# Altium PCB MiniPC.PcbDoc (part 19 of 22)
Units mm, origin at the board's own origin, x right, y up, seen from the top; angles counter-clockwise.
Board outline 175 x 155 mm, 16 copper layers (1_Top, 2_int1_(gnd), 3_int2_(power), 4_int3_(gnd), 5_int4_(sign), 6_int5_(power), 7_int6_(sign), 8_int7_(power), 9_int8_(gnd), 10_int9_(sign), 11_int10_(gnd), 12_int11_(sign), 13_int12_(gnd), 14_int13_(power), 15_int14_(gnd), 16_Bottom), stack 2.008 mm thick; 1046 components, 837 nets, 6010 pads, 3950 vias.
Unrouted connection lines stored in the file: 585.
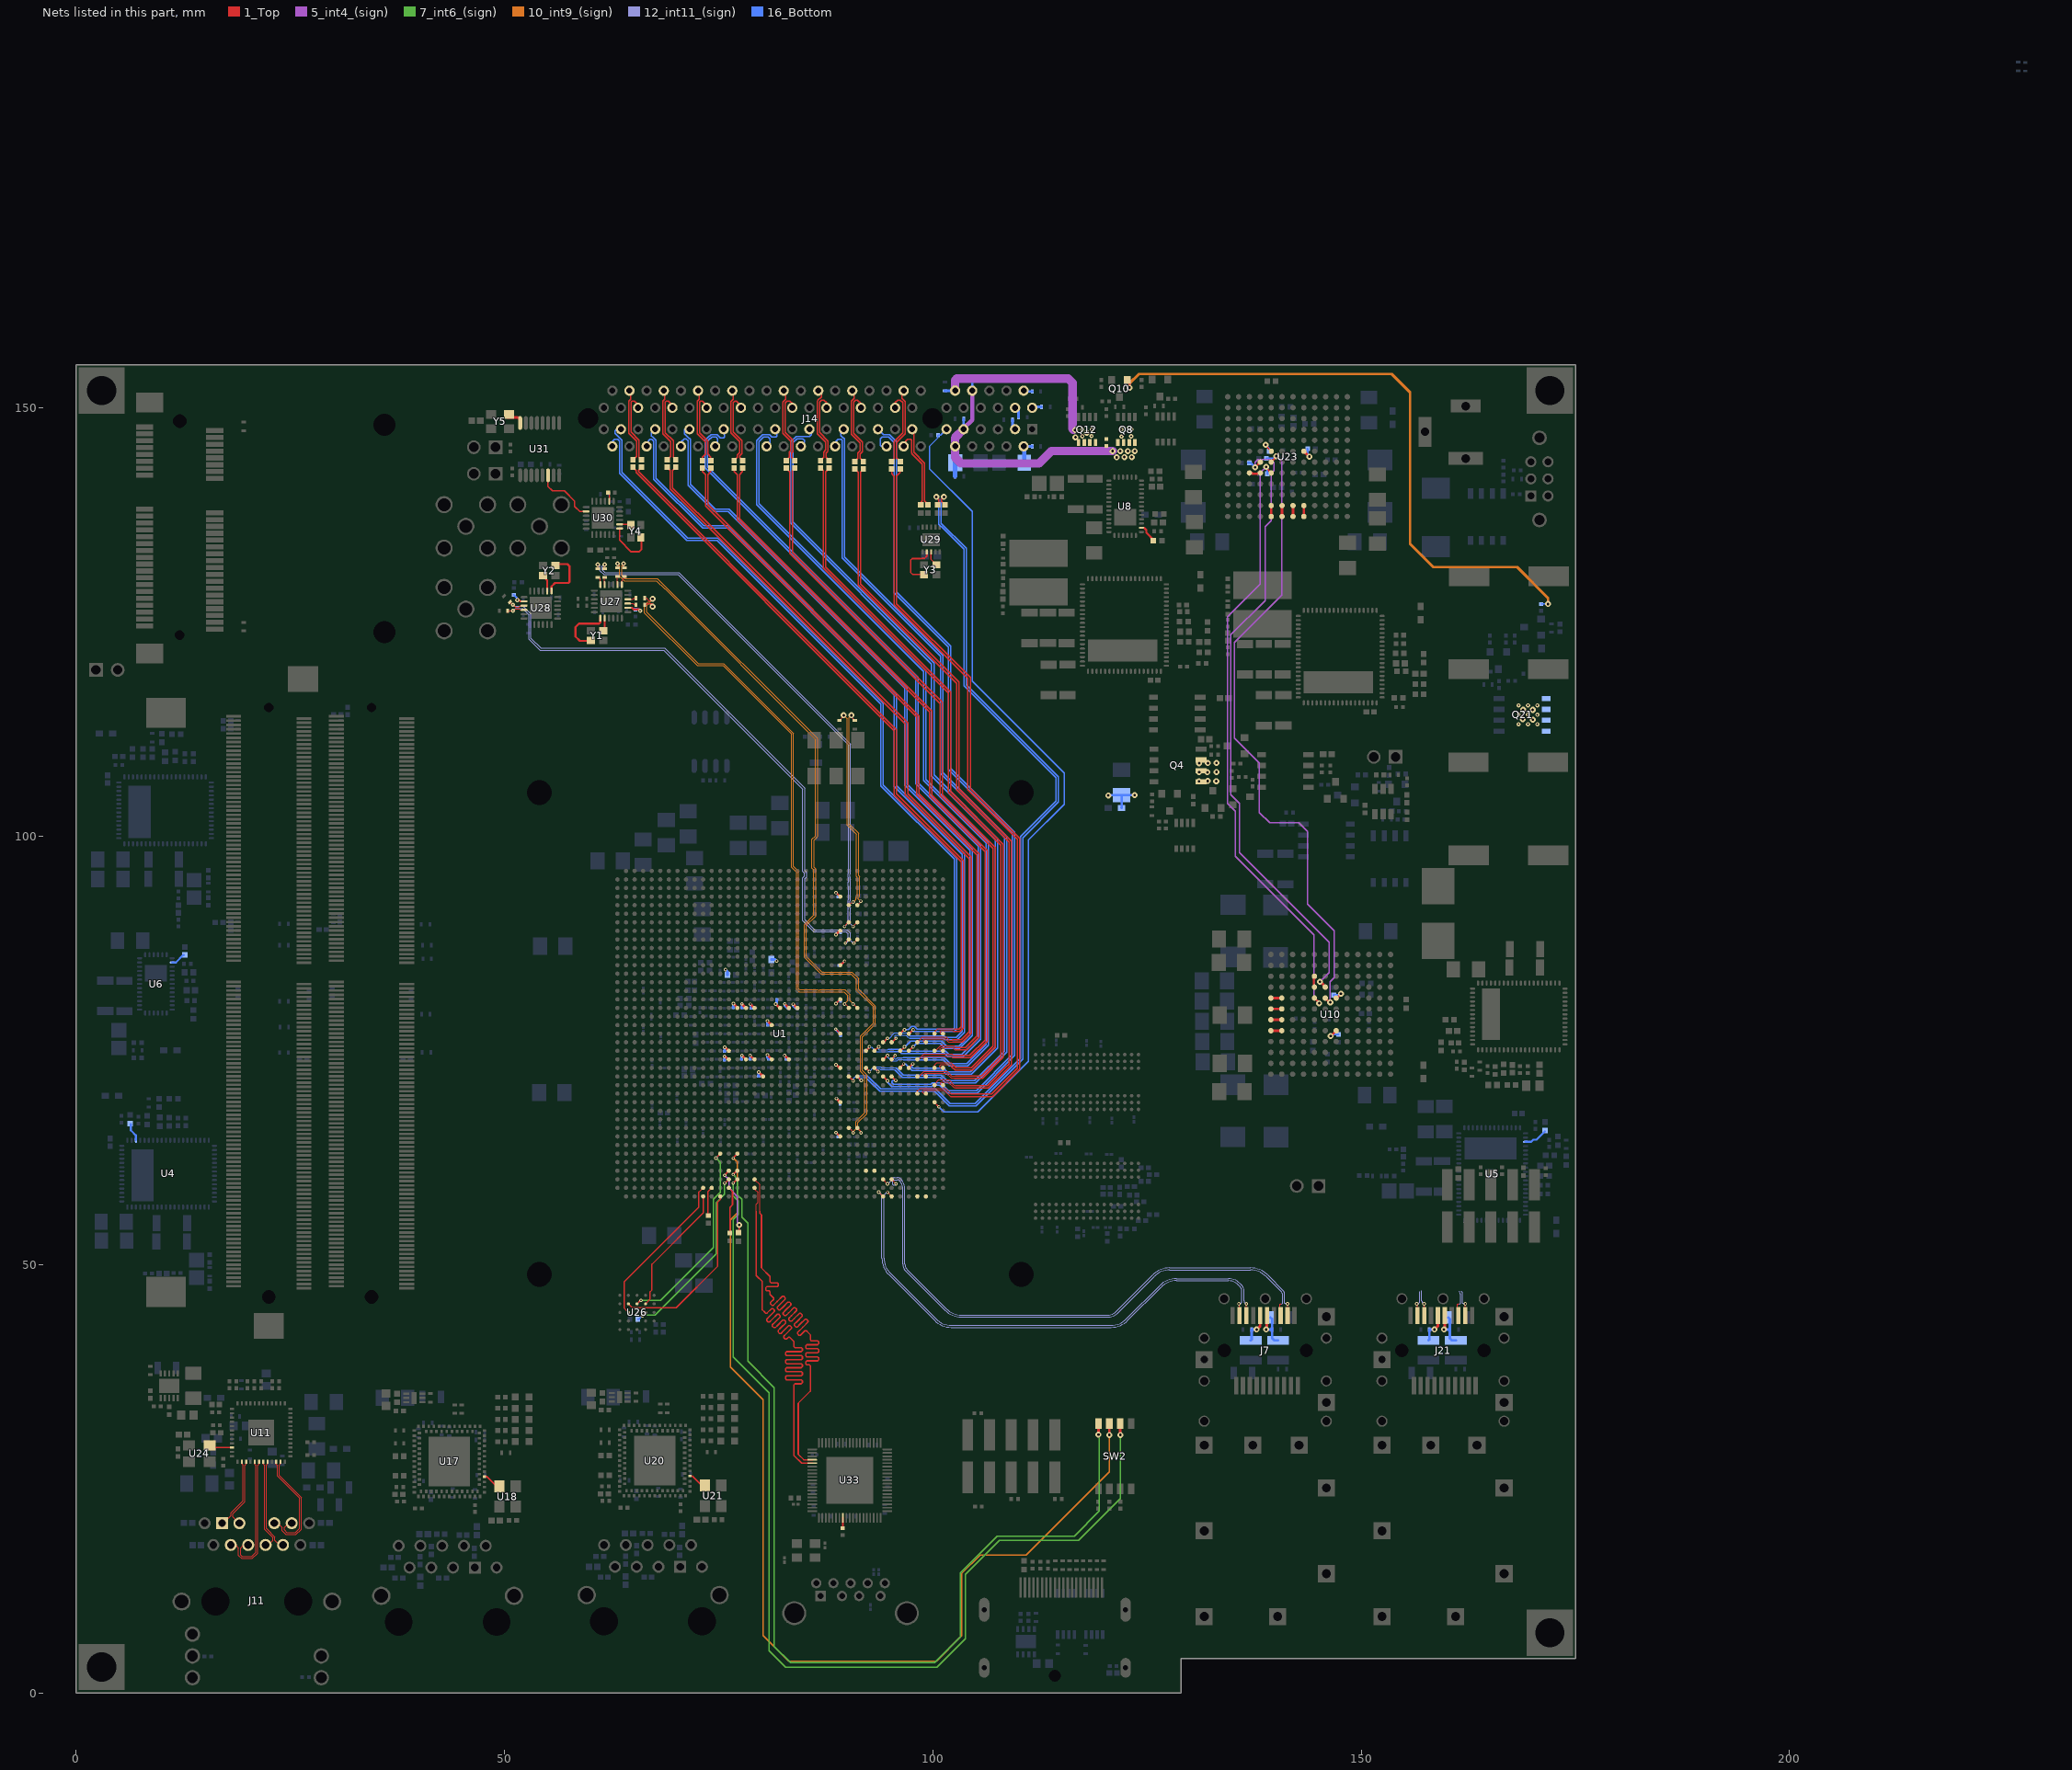
[diagram p33: the nets of this part, all layers, seen from the top]

## Via types
v1: diameter 0.4, hole 0.2, 1_Top to 16_Bottom, tented both sides, 1651 vias
v2: diameter 0.5, hole 0.2, 1_Top to 16_Bottom, tented both sides, 983 vias
v3: diameter 0.7, hole 0.3, 1_Top to 16_Bottom, tented both sides, 915 vias
v4: diameter 0.6, hole 0.2, 1_Top to 16_Bottom, tented both sides, 278 vias
v5: diameter 0.4, hole 0.2, 1_Top to 16_Bottom, 78 vias
v6: diameter 0.4/0/0/0/0/0/0/0/0/0/0/0/0/0/0/0.4 (per signal layer), hole 0.2, 1_Top to 16_Bottom, tented both sides, 18 vias
v7: diameter 0.5, hole 0.254, 1_Top to 16_Bottom, tented both sides, 15 vias
v8: diameter 0.4/0/0/0/0/0/0/0/0/0/0/0.4/0.4/0.4/0.4/0.4 (per signal layer), hole 0.2, 1_Top to 16_Bottom, tented both sides, 10 vias
v9: diameter 0.5, hole 0.2, 1_Top to 16_Bottom, 2 vias

## Nets (pads, with @x,y where several pads share a name; then routed paths per layer and width w, separated by ;. In a path a pad name is that pad's centre, name@x,y a point inside that pad or via, vN(x,y) a via of type N, cw(c..) or ccw(c..) an arc to the next point about the centre after c; other vN are vias at no path point) (continued)
NetR321_2: R321.2 U1.AU14 U26.C2 | length 22.3
  1_Top w0.17: v1(66.1,44) 66.1,44.025 U26.C2@66.475,44.4 ; v1(75.7,59.5) 75.755,59.5 U1.AU14@76.194,59.939
  7_int6_(sign) w0.15: v1@66.1,43.9 v1(66.1,44) 66.2,44.1 67.6,44.1 74.7,51.2 74.7,57.2 75.7,58.2 v1(75.7,59.5)
  16_Bottom w0.17: R321.2@65.55,43.6 65.7,43.6 v1(66.1,44)
NetR323_2: R323.2 U1.AT14 | length 8.2
  1_Top w0.17: v1(75.7,60.4) 75.9,60.6 75.9,60.645 U1.AT14@76.194,60.939 ; R323.2@77.3,53.7 77.4,53.8 v3(77.4,54.6)
  5_int4_(sign) w0.15: v1(75.7,60.4) 76.2,59.9 76.2,58.933 77.175,57.958 77.175,54.925 77.4,54.7 v3(77.4,54.6)
NetR324_2: R324.2 U1.AV12 | length 3.5
  1_Top w0.17: R324.2@73.825,55.625 73.769,55.681 73.769,58.514 U1.AV12@74.194,58.939
NetR325_2: R325.2 U1.AV14 | length 5.6
  1_Top w0.17: U1.AV14@76.194,58.939 76.619,58.514 76.619,56.949 76.605,56.949 76.315,56.659 76.315,53.665 R325.2@76.3,53.65
NetR333_2: R333.2 U27.8 | length 2.2
  1_Top w0.25: U27.8@64.4,126.65 64.891,126.65 65.076,126.465 65.685,126.465 v2(65.85,126.3)
  16_Bottom w0.25: R333.2@65.3,126.45 65.7,126.45 v2(65.85,126.3)
NetR334_2: R334.2 U28.8 | length 1.6
  1_Top w0.25: v2(51.5,127.55) 51.6,127.65 51.85,127.4 U28.8@52.3,127.4
  16_Bottom w0.25: R334.2@51.1,128.15 51.5,127.75 v2@51.5,127.65
NetR339_2: R339.2 U30.8 | length 1.1
  1_Top w0.17: R339.2@62.1,140.1 62.245,139.955 U30.8@62.245,139.1
NetR342_1: R342.1 U33.27 | length 1.2
  1_Top w0.2: R342.1@89.5,19.225 U33.27@89.5,20.425
NetSW2_2: SW2.2 U1.AU15 | length 120.6
  1_Top w0.17: v1(76.7,59.5) 77.139,59.939 U1.AU15@77.194,59.939
  1_Top w0.3: SW2.2@121.87,31.42 121.87,30.13 v3(121.9,30.1)
  7_int6_(sign) w0.15: v1(76.7,59.5) 76.7,58 77.3,57.4 77.3,55.829 76.7,55.229 76.7,39.2 80.9,35 80.9,4.9 82.8,3 100.5,3 103.8,6.3 103.8,13.8 107.8,17.8 117,17.8 121.9,22.7 v3(121.9,30.1)
NetSW2_3: SW2.3 U1.AP15 | length 119.3
  1_Top w0.17: v1(76.7,62.4) 76.7,62.445 U1.AP15@77.194,62.939
  1_Top w0.3: v3(120.6,30.1) SW2.3@120.6,31.42
  10_int9_(sign) w0.15: v1(76.7,62.4) 76.733,62.4 77.194,61.939 77.194,55.994 76.4,55.2 76.4,38 80.2,34.2 80.2,6.7 83.2,3.7 100.4,3.7 103.4,6.7 103.4,14 105.5,16.1 110.9,16.1 120.6,25.8 v3(120.6,30.1)
NetSW2_4: SW2.4 U1.AT15 | length 118.4
  1_Top w0.17: v1(76.7,60.5) 77.139,60.939 U1.AT15@77.194,60.939
  1_Top w0.3: v3(119.33,30.13) SW2.4@119.33,31.42
  7_int6_(sign) w0.15: v1(76.7,60.5) 77.2,60 77.2,58.1 77.7,57.6 77.7,55.5 78.4,54.8 78.4,38.7 81.5,35.6 81.5,5.4 83.4,3.5 100.2,3.5 103.2,6.5 103.2,14 107.5,18.3 116.5,18.3 119.4,21.2 119.4,30.06 v3(119.33,30.13)
NetU1_AP13: U1.AP13 U26.D3 | length 23.3
  1_Top w0.17: U26.D3@65.475,45.4 65.875,45.8 v1(65.938,45.8) ; v1(74.7,62.425) 75.194,62.919 U1.AP13@75.194,62.939
  7_int6_(sign) w0.15: v1(65.938,45.8) 68.2,45.8 74.4,52 74.4,57.615 75.2,58.415 75.2,61.894 75.194,61.9 75.194,61.931 v1(74.7,62.425)
NetU1_AV11: U1.AV11 U26.C4 | length 18.5
  1_Top w0.17: U26.C4@64.475,44.4 64,44.875 64,48 72.7,56.7 72.7,58.445 U1.AV11@73.194,58.939
NetU1_AW11: U1.AW11 U26.D2 | length 15.3
  1_Top w0.17: U26.D2@66.475,45.4 66.975,45.9 66.975,46.775 67.225,47.025 67.225,50.025 73.194,55.994 U1.AW11@73.194,57.939
NetU1_AW13: U1.AW13 U26.D4 | length 20.9
  1_Top w0.17: U26.D4@64.475,45.4 64.925,44.95 70.05,44.95 74.9,49.8 74.9,57.3 75.194,57.594 U1.AW13@75.194,57.939
NetU10_C5: U10.C5 U10.D5 | length 1.3
  1_Top w0.25: U10.D5@144.535,82.37 144.535,82.579 144.45,82.664 144.45,83.286 144.535,83.371 U10.C5@144.535,83.64
NetU10_E1: U10.E1 U10.E2 | length 1.3
  1_Top w0.3: U10.E1@139.455,81.1 U10.E2@140.725,81.1
NetU10_F1: U10.F1 U10.F2 | length 1.3
  1_Top w0.3: U10.F1@139.455,79.83 U10.F2@140.725,79.83
NetU10_G1: U10.G1 U10.G2 | length 1.3
  1_Top w0.3: U10.G1@139.455,78.56 U10.G2@140.725,78.56
NetU10_H1: U10.H1 U10.H2 | length 1.3
  1_Top w0.3: U10.H1@139.455,77.29 U10.H2@140.725,77.29
NetU11_46: U11.46 U24.3 | length 2.8
  1_Top w0.2: U24.3@15.7,28.95 15.7,28.75 15.824,28.625 U11.46@18.212,28.625
NetU17_A30: U17.A30 U18.3 | length 2.2
  1_Top w0.2: U17.A30@47.674,25.212 47.974,25.212 49.074,24.112 U18.3@49.374,24.112
NetU20_A30: U20.A30 U21.3 | length 2.2
  1_Top w0.2: U20.A30@71.65,25.3 71.95,25.3 73.05,24.2 U21.3@73.35,24.2
NetU23_C5: U23.C5 U23.D5 | length 1.3
  1_Top w0.25: U23.C5@136.955,142.395 137.224,142.395 137.309,142.31 137.931,142.31 138.016,142.395 U23.D5@138.225,142.395
NetU23_E1: U23.E1 U23.E2 | length 1.3
  1_Top w0.3: U23.E1@139.495,137.315 U23.E2@139.495,138.585
NetU23_F1: U23.F1 U23.F2 | length 1.3
  1_Top w0.3: U23.F1@140.765,137.315 U23.F2@140.765,138.585
NetU23_G1: U23.G1 U23.G2 | length 1.3
  1_Top w0.3: U23.G1@142.035,137.315 U23.G2@142.035,138.585
NetU23_H1: U23.H1 U23.H2 | length 1.3
  1_Top w0.3: U23.H1@143.305,137.315 U23.H2@143.305,138.585
NetU27_1: U27.1 Y1.1 | length 6.4
  1_Top w0.25: Y1.1@59.75,122.8 58.8,122.8 58.3,123.3 58.3,124.4 58.7,124.8 61.05,124.8 61.2,124.95 U27.1@61.2,125.45
NetU27_2: U27.2 Y1.3 | length 1.4
  1_Top w0.25: Y1.3@61.65,124.1 61.7,124.15 U27.2@61.7,125.45
NetU28_1: U28.1 Y2.1 | length 6.3
  1_Top w0.25: U28.1@55.5,128.6 55.5,129.15 55.9,129.55 57.45,129.55 57.6,129.7 57.6,131.5 57.35,131.75 Y2.1@56.1,131.75
NetU28_2: U28.2 Y2.3 | length 2
  1_Top w0.25: Y2.3@54.5,130.35 55,129.85 U28.2@55,128.6
NetU29_2: U29.2 Y3.3 | length 5.7
  1_Top w0.17: Y3.3@98.975,130.525 97.675,130.525 97.4,130.8 97.4,132.2 97.6,132.4 99,132.4 99.3,132.7 U29.2@99.3,133.175
NetU29_3: U29.3 Y3.1 | length 1.8
  1_Top w0.17: U29.3@99.8,133.175 99.8,132.3 Y3.1@100.425,131.675
NetU30_1: U30.1 Y4.1 | length 5.8
  1_Top w0.2: U30.1@63.445,135.9 63.445,134.562 64.807,133.2 65.7,133.2 66,133.5 Y4.1@66,134.7
NetU30_2: U30.2 Y4.3 | length 1.4
  1_Top w0.2: U30.2@63.445,136.4 64.7,136.4 Y4.3@64.8,136.3
NetU30_14: U30.14 U31.14 | length 7.3
  1_Top w0.17: U31.14@55.095,142.126 55.095,140.805 55.6,140.3 57,140.3 58.2,139.1 58.2,138.5 58.8,137.9 U30.14@59.545,137.9
NetU31_8: U31.8 Y5.3 | length 2
  1_Top w0.3: Y5.3@50.321,148.875 51.55,148.875 51.845,148.58 U31.8@51.845,148.226
PCIE_3V3: Q8.5 Q8.6 Q8.7 Q8.8 R18.2
  other v2: 122.025,146.65 123.15,146.675 122.05,147.482 123.15,147.482
PCIE_12V: C500.2 C501.2 C502.2 C503.2 C504.2 C505.2 J14.A2 J14.A3 J14.B1 J14.B2 J14.B3 Q21.5 Q21.6 Q21.7 Q21.8 | length 7.7
  16_Bottom w0.3: C501.2@109.3,148.6 109.3,147.8 J14.A3@109.6,147.5 ; J14.B3@109.6,150 110,149.6 C502.2@110,148.9 ; C500.2@110.6,143.675 C500.2@110.675,143.6 ; J14.A2@110.6,145.5 C504.2@111.6,145.5 ; J14.B2@110.6,152 110.7,151.9 C505.2@111.6,151.9 ; J14.B1@111.6,150 111.7,150.1 C503.2@112.7,150.1
  16_Bottom w0.5: J14.A2@110.6,145.5 110.675,145.425 C500.2@110.675,143.6
  other v2: 168.36,113.065 169.46,113.065 170.56,113.065 168.36,114.165 169.46,114.165 170.56,114.165 168.36,115.265 169.46,115.265 170.56,115.265
  other v3: 170.03,113.59 168.86,113.63 168.89,114.74 170.01,114.74
PCIE_AUX3V3: C483.2 J14.B10 Q12.5 Q12.6 Q12.7 Q12.8 | length 21.9
  5_int4_(sign) w1: J14.B10@102.6,152 102.6,153.2 102.8,153.4 115.8,153.4 116.3,152.9 116.3,147.55 v3@116.4,147.45
  16_Bottom w0.3: C483.2@101.4,152 J14.B10@102.6,152
  other v2: 117.45,146.675 118.525,146.7 117.45,147.482 118.55,147.482
  other v3: 116.65,146.56 117.97,147.1 116.62,147.4
PCIE_DC_3V3: C506.2 C507.2 C508.2 C509.2 J14.A9 J14.A10 J14.B8 R18.1 | length 33.9
  1_Top w0.25: R18.1@120.27,145.55 R18.1@120.37,145.55
  5_int4_(sign) w0.5: J14.A9@103.6,147.5 103.6,147.6 104.6,148.6 J14.B8@104.6,152
  5_int4_(sign) w1: J14.A9@103.6,147.5 102.6,146.5 J14.A10@102.6,145.5 102.6,144.2 103.3,143.5 112.4,143.5 113.85,144.95 v3(120.97,144.95)
  16_Bottom w0.3: J14.A9@103.6,147.5 C507.2@103.6,148.7 ; J14.B8@104.6,152 C506.2@104.6,153.2
  16_Bottom w0.5: C508.2@102.6,142 102.6,143.575 C509.2@102.625,143.6 ; C509.2@102.6,143.625 J14.A10@102.6,145.5
  other v3: 121.46,144.22 122.36,144.25 123.21,144.25 121.87,144.95 122.77,144.95 123.57,144.95
PCIE_EN: Q10.1 R139.1 | length 73.5
  1_Top w0.25: Q10.1@122.685,153.25 122.97,152.965 v3(122.97,152.35)
  10_int9_(sign) w0.3: v3(122.97,152.35) 122.97,152.87 124.05,153.95 153.55,153.95 155.7,151.8 155.7,134.1 158.4,131.4 168.2,131.4 171.8,127.8 v3(171.8,127.1)
  16_Bottom w0.17: R139.1@171,127.1 v3(171.8,127.1)
PCIE_PERSTN: J14.A11 R332.1 U1.AH38 | length 97
  1_Top w0.17: U1.AH38@100.194,68.939 100.194,68.906 v1(100.7,68.4)
  16_Bottom w0.17: v1(100.7,68.4) 101.3,67.8 105.245,67.8 111.17,73.725 111.17,74.715 111.165,74.72 111.165,75.08 111.17,75.085 111.17,99.541 115.34,103.711 115.34,107.36 104.6,118.1 104.6,137.9 99.6,142.9 99.6,145.5 100.6,146.5 R332.1@100.6,146.8 100.9,146.8 J14.A11@101.6,147.5
PCIE_REFCLK_QR0_N: R336.2 U1.AE28 | length 98.3
  1_Top w0.15: U1.AE28@90.194,71.939 v6(90.7,71.433) ; v3(100.4,139.6) 100.7,139.3 100.7,138.85 R336.2@100.55,138.7
  16_Bottom w0.1: v6(90.7,71.433) 90.7,71.685 91.065,72.05 92.332,72.05 92.503,71.878
  16_Bottom w0.15: 92.503,71.878 93.912,70.47 100.33,70.47 101.755,69.045 101.767,69.045 102.012,68.8 104.915,68.8 110.225,74.11 110.225,75.47 110.23,75.475 110.23,99.93 114.4,104.1 114.4,106.8 103.7,117.5 103.621,117.579 103.621,133.497 101.218,135.9 100.715,136.403 100.715,139.285 v3(100.4,139.6)
PCIE_REFCLK_QR0_P: R335.2 U1.AE29 | length 98.1
  1_Top w0.15: U1.AE29@91.194,71.939 v6(91.65,71.483) ; v3(101.3,139.6) 101.04,139.34 101.04,139.06 R335.2@101.4,138.7
  16_Bottom w0.1: v6(91.65,71.483) 91.518,71.483 91.396,71.605 91.396,71.72 91.506,71.83 92.17,71.83 92.4,71.6
  16_Bottom w0.15: 92.4,71.6 93.8,70.2 100.218,70.2 101.643,68.775 101.655,68.775 101.875,68.555 101.875,68.543 101.888,68.53 105.027,68.53 110.495,73.998 110.495,74.195 110.495,75.358 110.5,75.363 110.5,99.818 114.67,103.988 114.67,106.912 103.891,117.691 103.891,133.609 100.985,136.515 100.985,139.285 v3(101.3,139.6)
PCIE_REFCLK_SYN_N: J14.A14 R338.2 | length 9.7
  1_Top w0.15: J14.A14@96.6,145.5 96.6,145.867 97.033,146.3 97.4,146.3 97.505,146.195 97.505,144.695 97.65,144.55 98.765,143.435 98.765,139.115 98.475,138.825 R338.2@98.35,138.7
PCIE_REFCLK_SYN_P: J14.A13 R337.2 | length 9.6
  1_Top w0.15: J14.A13@97.6,147.5 97.775,147.325 97.775,144.807 99.035,143.547 99.035,139.148 99.192,138.992 99.192,138.958 R337.2@99.45,138.7
PCIE_RX0_N: J14.A17 U1.AE32 | length 98.4
  1_Top w0.15: U1.AE32@94.194,71.939 v6(94.7,71.433)
  16_Bottom w0.15: J14.A17@93.6,147.5 94.23,146.87 94.97,146.87 95.775,146.065 95.775,146.025 95.779,146.021 95.779,145.846 95.775,145.842 95.775,145.158 95.779,145.154 95.779,128.521 102.1,122.2 102.1,107.882 109.565,100.417 109.565,74.383 105.212,70.03 101.688,70.03 101.609,70.109 100.788,70.93 100.042,70.93 99.867,70.755 95.22,70.755 94.7,71.275 v6(94.7,71.433)
PCIE_RX0_P: J14.A16 U1.AE33 | length 98.3
  1_Top w0.15: U1.AE33@95.194,71.939 v6(95.667,71.467)
  16_Bottom w0.15: J14.A16@94.6,145.5 94,145.5 93.9,145.6 93.9,146.4 94.1,146.6 94.859,146.6 95.505,145.954 95.505,145.046 95.509,145.042 95.509,128.409 101.83,122.088 101.83,107.77 109.295,100.305 109.295,74.495 105.1,70.3 101.8,70.3 100.9,71.2 99.93,71.2 99.755,71.025 95.425,71.025 95.215,71.235 95.215,71.37 95.312,71.467 v6(95.667,71.467)
PCIE_RX1_N: J14.A22 U1.AD30 | length 99.4
  1_Top w0.1: U1.AD30@92.194,72.939 U1.AD30@92.239,72.939 ; v6(92.6,72.5) v6@92.6,72.579
  1_Top w0.15: U1.AD30@92.194,72.939 92.554,72.579 v6@92.6,72.579
  16_Bottom w0.1: v6(92.6,72.5) 93.15,73.05 93.926,73.05 94.006,72.97 95.7,72.97
  16_Bottom w0.15: J14.A22@88.6,145.5 88.6,146 88.93,146.33 89.3,146.33 89.43,146.2 89.43,142.54 89.43,139.918 89.43,134.3 89.43,132.458 100.9,120.988 100.9,107.315 108.23,99.985 108.23,99.97 108.365,99.835 108.365,74.915 104.9,71.45 101.65,71.45 100.975,72.125 96.545,72.125 95.7,72.97
PCIE_RX1_P: J14.A21 U1.AD31 | length 99.3
  1_Top w0.15: U1.AD31@93.194,72.939 93.6,72.533 v6(93.6,72.5)
  16_Bottom w0.1: v6(93.6,72.5) 93.531,72.5 93.391,72.64 93.391,72.735 93.486,72.83 93.835,72.83 93.94,72.725 95.563,72.725 95.588,72.7
  16_Bottom w0.15: J14.A21@89.6,147.5 89.275,147.175 89.275,146.737 89.542,146.47 89.586,146.47 89.7,146.356 89.7,132.57 101.17,121.1 101.17,107.427 108.5,100.097 108.5,100.082 108.635,99.947 108.635,74.803 105.012,71.18 101.538,71.18 101.459,71.259 100.863,71.855 96.433,71.855 95.588,72.7
PCIE_RX2_N: J14.A26 U1.AD34 | length 96.3
  1_Top w0.15: U1.AD34@96.194,72.939 96.194,72.994 v6(96.6,73.4)
  16_Bottom w0.15: J14.A26@84.6,145.5 84.6,145.6 85,146 85,146.2 84.8,146.4 84.141,146.4 83.695,145.954 83.695,136.647 100.13,120.212 100.13,107.152 107.57,99.712 107.57,75.288 104.512,72.23 101.573,72.23 101.173,72.63 97.575,72.63 96.805,73.4 v6(96.6,73.4)
PCIE_RX2_P: J14.A25 U1.AD35 | length 96.3
  1_Top w0.15: U1.AD35@97.194,72.939 v6(97.655,73.4)
  16_Bottom w0.15: J14.A25@85.6,147.5 85.8,147.3 85.8,146.875 85.595,146.67 84.03,146.67 83.425,146.065 83.425,136.535 99.86,120.1 99.86,107.04 107.3,99.6 107.3,75.4 104.4,72.5 101.685,72.5 101.285,72.9 97.695,72.9 97.555,73.04 97.555,73.4 v6(97.655,73.4)
PCIE_RX3_N: J14.A30 U1.AC32 | length 98.4
  1_Top w0.15: U1.AC32@94.194,73.939 94.239,73.939 v6(94.7,74.4)
  16_Bottom w0.1: v6(94.7,74.4) 94.7,74.265 95.204,73.761 95.831,73.761 95.975,73.905 96.54,73.905 96.565,73.88
  16_Bottom w0.15: J14.A30@80.6,145.5 81,145.9 81,146.4 80.8,146.6 80.249,146.6 79.695,146.046 79.695,138.823 99.2,119.318 99.2,106.613 106.49,99.323 106.49,75.59 104.1,73.2 101.918,73.2 101.618,73.5 101.238,73.88 96.565,73.88
PCIE_RX3_P: J14.A29 U1.AC33 | length 98.9
  1_Top w0.1: v6@95.6,74.345 v6(95.6,74.4)
  1_Top w0.15: U1.AC33@95.194,73.939 95.194,73.994 v6(95.6,74.4)
  16_Bottom w0.1: v6(95.6,74.4) 95.445,74.245 95.445,74.116 95.58,73.981 95.739,73.981 95.884,74.125 96.525,74.125 96.55,74.15
  16_Bottom w0.15: J14.A29@81.6,147 J14.A29@81.6,147.5 81.825,147.275 81.825,146.725 81.7,146.6 81.2,146.6 80.93,146.87 80.137,146.87 79.425,146.158 79.425,144.58 79.425,138.711 98.93,119.206 98.93,106.501 106.22,99.211 106.22,75.702 103.988,73.47 102.03,73.47 101.35,74.15 96.55,74.15
PCIE_RX4_N: J14.A36 U1.AB30 | length 100.5
  1_Top w0.1: v6@92.6,75.345 v6(92.6,75.4)
  1_Top w0.15: U1.AB30@92.194,74.939 v6@92.6,75.345
  16_Bottom w0.1: v6(92.6,75.4) 92.845,75.4 93.39,74.855 94.755,74.855 94.78,74.83
  16_Bottom w0.15: J14.A36@74.6,145.5 74.9,145.8 74.9,146.4 74.7,146.6 74.249,146.6 74.054,146.405 74.005,146.405 73.7,146.1 73.7,143.1 74.708,142.092 76.335,140.465 98.1,118.7 98.27,118.53 98.27,106.228 105.56,98.938 105.56,76.278 103.591,74.309 103.512,74.23 101.788,74.23 101.609,74.409 101.388,74.63 96.37,74.63 96.17,74.83 94.78,74.83
PCIE_RX4_P: J14.A35 U1.AB31 | length 100.7
  1_Top w0.1: v6@93.655,75.4 v6(93.7,75.4)
  1_Top w0.15: U1.AB31@93.194,74.939 v6@93.655,75.4
  16_Bottom w0.1: v6(93.7,75.4) 93.625,75.325 93.625,75.18 93.73,75.075 94.755,75.075 94.78,75.1
  16_Bottom w0.15: J14.A35@75.6,147.2 J14.A35@75.6,147.5 75.7,147.4 75.7,146.6 75.6,146.5 75.2,146.5 74.83,146.87 74.137,146.87 73.942,146.675 73.893,146.675 73.43,146.212 73.43,142.988 74.517,141.902 98,118.418 98,106.116 105.29,98.826 105.29,76.39 103.4,74.5 101.9,74.5 101.5,74.9 96.512,74.9 96.312,75.1 94.78,75.1
PCIE_RX5_N: J14.A40 U1.AB34 | length 95
  1_Top w0.1: v6@96.655,75.4 v6(96.7,75.4)
  1_Top w0.15: U1.AB34@96.194,74.939 96.239,74.939 v6(96.7,75.4)
  16_Bottom w0.15: J14.A40@70.6,145.5 70.6,146 71,146.4 71.2,146.4 71.43,146.17 71.43,144.125 71.43,142.185 71.43,140.958 74.488,137.9 76.1,137.9 96.73,117.27 96.73,105.97 104.36,98.34 104.36,76.83 103.03,75.5 101.6,75.5 101,76.1 97.4,76.1 v6(96.7,75.4)
PCIE_RX5_P: J14.A39 U1.AB35 | length 94.9
  1_Top w0.1: v6@97.655,75.4 v6(97.7,75.4)
  1_Top w0.15: U1.AB35@97.194,74.939 v6@97.655,75.4
  16_Bottom w0.15: J14.A39@71.6,147.5 71.075,147.5 71,147.425 71,146.982 71.542,146.44 71.586,146.44 71.7,146.326 71.7,144.125 71.7,142.185 71.7,141.07 74.6,138.17 76.212,138.17 97,117.382 97,106.082 104.63,98.452 104.63,76.718 103.13,75.218 101.467,75.218 100.855,75.83 98.13,75.83 v6(97.7,75.4)
PCIE_RX6_N: J14.A44 U1.AA32 | length 97.2
  1_Top w0.15: U1.AA32@94.194,75.939 94.239,75.939 v6(94.7,76.4)
  16_Bottom w0.1: v6(94.7,76.4) 94.941,76.4 95.556,77.015 96.94,77.015 97.285,76.67
  16_Bottom w0.15: J14.A44@66.6,145.5 66.6,145.9 67,146.3 67.23,146.3 67.43,146.1 67.43,144.045 67.43,141.76 67.43,141.673 73.153,135.95 76.05,135.95 95.5,116.5 95.5,105.8 103.43,97.87 103.43,77.215 102.715,76.5 101.5,76.5 101.33,76.67 97.285,76.67
PCIE_RX6_P: J14.A43 U1.AA33 | length 97.3
  1_Top w0.15: U1.AA33@95.194,75.939 95.239,75.939 v6(95.7,76.4)
  16_Bottom w0.1: v6(95.7,76.4) 95.59,76.51 95.59,76.737 95.648,76.795 96.849,76.795 97.04,76.604 97.04,76.569 97.184,76.425 97.275,76.425 97.3,76.4
  16_Bottom w0.15: J14.A43@67.6,147.5 67.4,147.3 67.375,147.3 67.175,147.1 67.175,146.7 67.305,146.57 67.342,146.57 67.4,146.512 67.6,146.312 67.7,146.212 67.7,144.045 67.7,141.97 67.7,141.785 73.265,136.22 76.162,136.22 76.241,136.141 95.77,116.612 95.77,105.912 103.7,97.982 103.7,77.103 102.827,76.23 101.388,76.23 101.318,76.3 101.218,76.4 99.1,76.4 97.3,76.4
PCIE_RX7_N: J14.A48 U1.Y34 | length 95.2
  1_Top w0.1: v6@96.655,77.4 v6(96.7,77.4)
  1_Top w0.15: U1.Y34@96.194,76.939 v6@96.655,77.4
  16_Bottom w0.15: J14.A48@62.6,145.5 62.6,146.07 62.84,146.31 63.22,146.31 63.43,146.1 63.43,142.328 71.258,134.5 74.83,134.5 93.93,115.4 93.93,105.87 102.5,97.3 102.5,77.6 102.385,77.485 98.174,77.485 97.864,77.795 97.536,77.795 97.141,77.4 v6(96.7,77.4)
PCIE_RX7_P: J14.A47 U1.Y35 | length 95.2
  1_Top w0.15: U1.Y35@97.194,76.939 97.239,76.939 v6(97.7,77.4)
  16_Bottom w0.15: J14.A47@63.6,147.5 63.125,147.5 62.9,147.275 62.9,147.012 63.7,146.212 63.7,142.44 71.37,134.77 74.942,134.77 94.2,115.512 94.2,105.982 102.77,97.412 102.77,77.488 102.497,77.215 97.75,77.215 97.7,77.265 v6(97.7,77.4)
PCIE_TX0_C_N: C485.2 J14.B15 | length 9.1
  1_Top w0.15: C485.2@95.2,143.74 95.2,143.758 95.5,144.058 95.5,146.082 95.6,146.182 96.5,147.082 96.5,150.6 96.2,150.9 95.9,150.9 95.6,150.6 J14.B15@95.6,150
PCIE_TX0_C_P: C484.2 J14.B14 | length 9.1
  1_Top w0.15: C484.2@96.2,143.74 95.77,144.17 95.77,145.97 96.77,146.97 96.77,150.712 96.391,151.091 96.391,151.791 J14.B14@96.6,152
PCIE_TX0_N: C485.1 U1.AG36 | length 89.7
  1_Top w0.1: U1.AG36@98.194,69.939 98.194,70.224 98.519,70.549 101.51,70.549 102.16,69.9
  1_Top w0.15: C485.1@95.2,142.86 95.2,142.3 95.5,142 95.5,127.018 104.1,118.418 104.1,105.425 109.88,99.645 109.88,72.892 106.888,69.9 102.16,69.9
PCIE_TX0_P: C484.1 U1.AG37 | length 89.9
  1_Top w0.1: U1.AG37@99.194,70.094 U1.AG37@99.194,69.939 98.967,69.939 98.837,70.07 98.837,70.205 98.961,70.329 101.355,70.329 102.085,69.6
  1_Top w0.15: C484.1@96.2,142.86 96.2,142.455 95.77,142.025 95.77,127.13 104.37,118.53 104.37,105.537 110.15,99.757 110.15,72.78 106.97,69.6 102.085,69.6
PCIE_TX1_C_N: C487.2 J14.B20 | length 9.2
  1_Top w0.15: J14.B20@90.6,152 90.809,151.791 90.809,151.091 90.5,150.782 90.5,146.93 91.53,145.9 91.53,144.977 91.265,144.712 91.265,144.105 C487.2@90.9,143.74
PCIE_TX1_C_P: C486.2 J14.B19 | length 9.2
  1_Top w0.15: J14.B19@91.6,150 91.6,150.5 91.2,150.9 91,150.9 90.77,150.67 90.77,147.042 91.8,146.012 91.8,144.865 91.535,144.6 91.535,144.105 C486.2@91.9,143.74
PCIE_TX1_N: C487.1 U1.AF38 | length 87.2
  1_Top w0.1: U1.AF38@100.194,70.939 100.194,71.055 100.679,71.54 101.865,71.54 102.514,70.891 102.6,70.891
  1_Top w0.15: C487.1@90.9,142.86 91.3,142.46 91.3,129.318 102.765,117.853 102.765,105.444 108.89,99.319 108.89,73.39 108.5,73 106.391,70.891 102.6,70.891